# KiCad board LC_RFE-RevA2.kicad_pcb (continued)
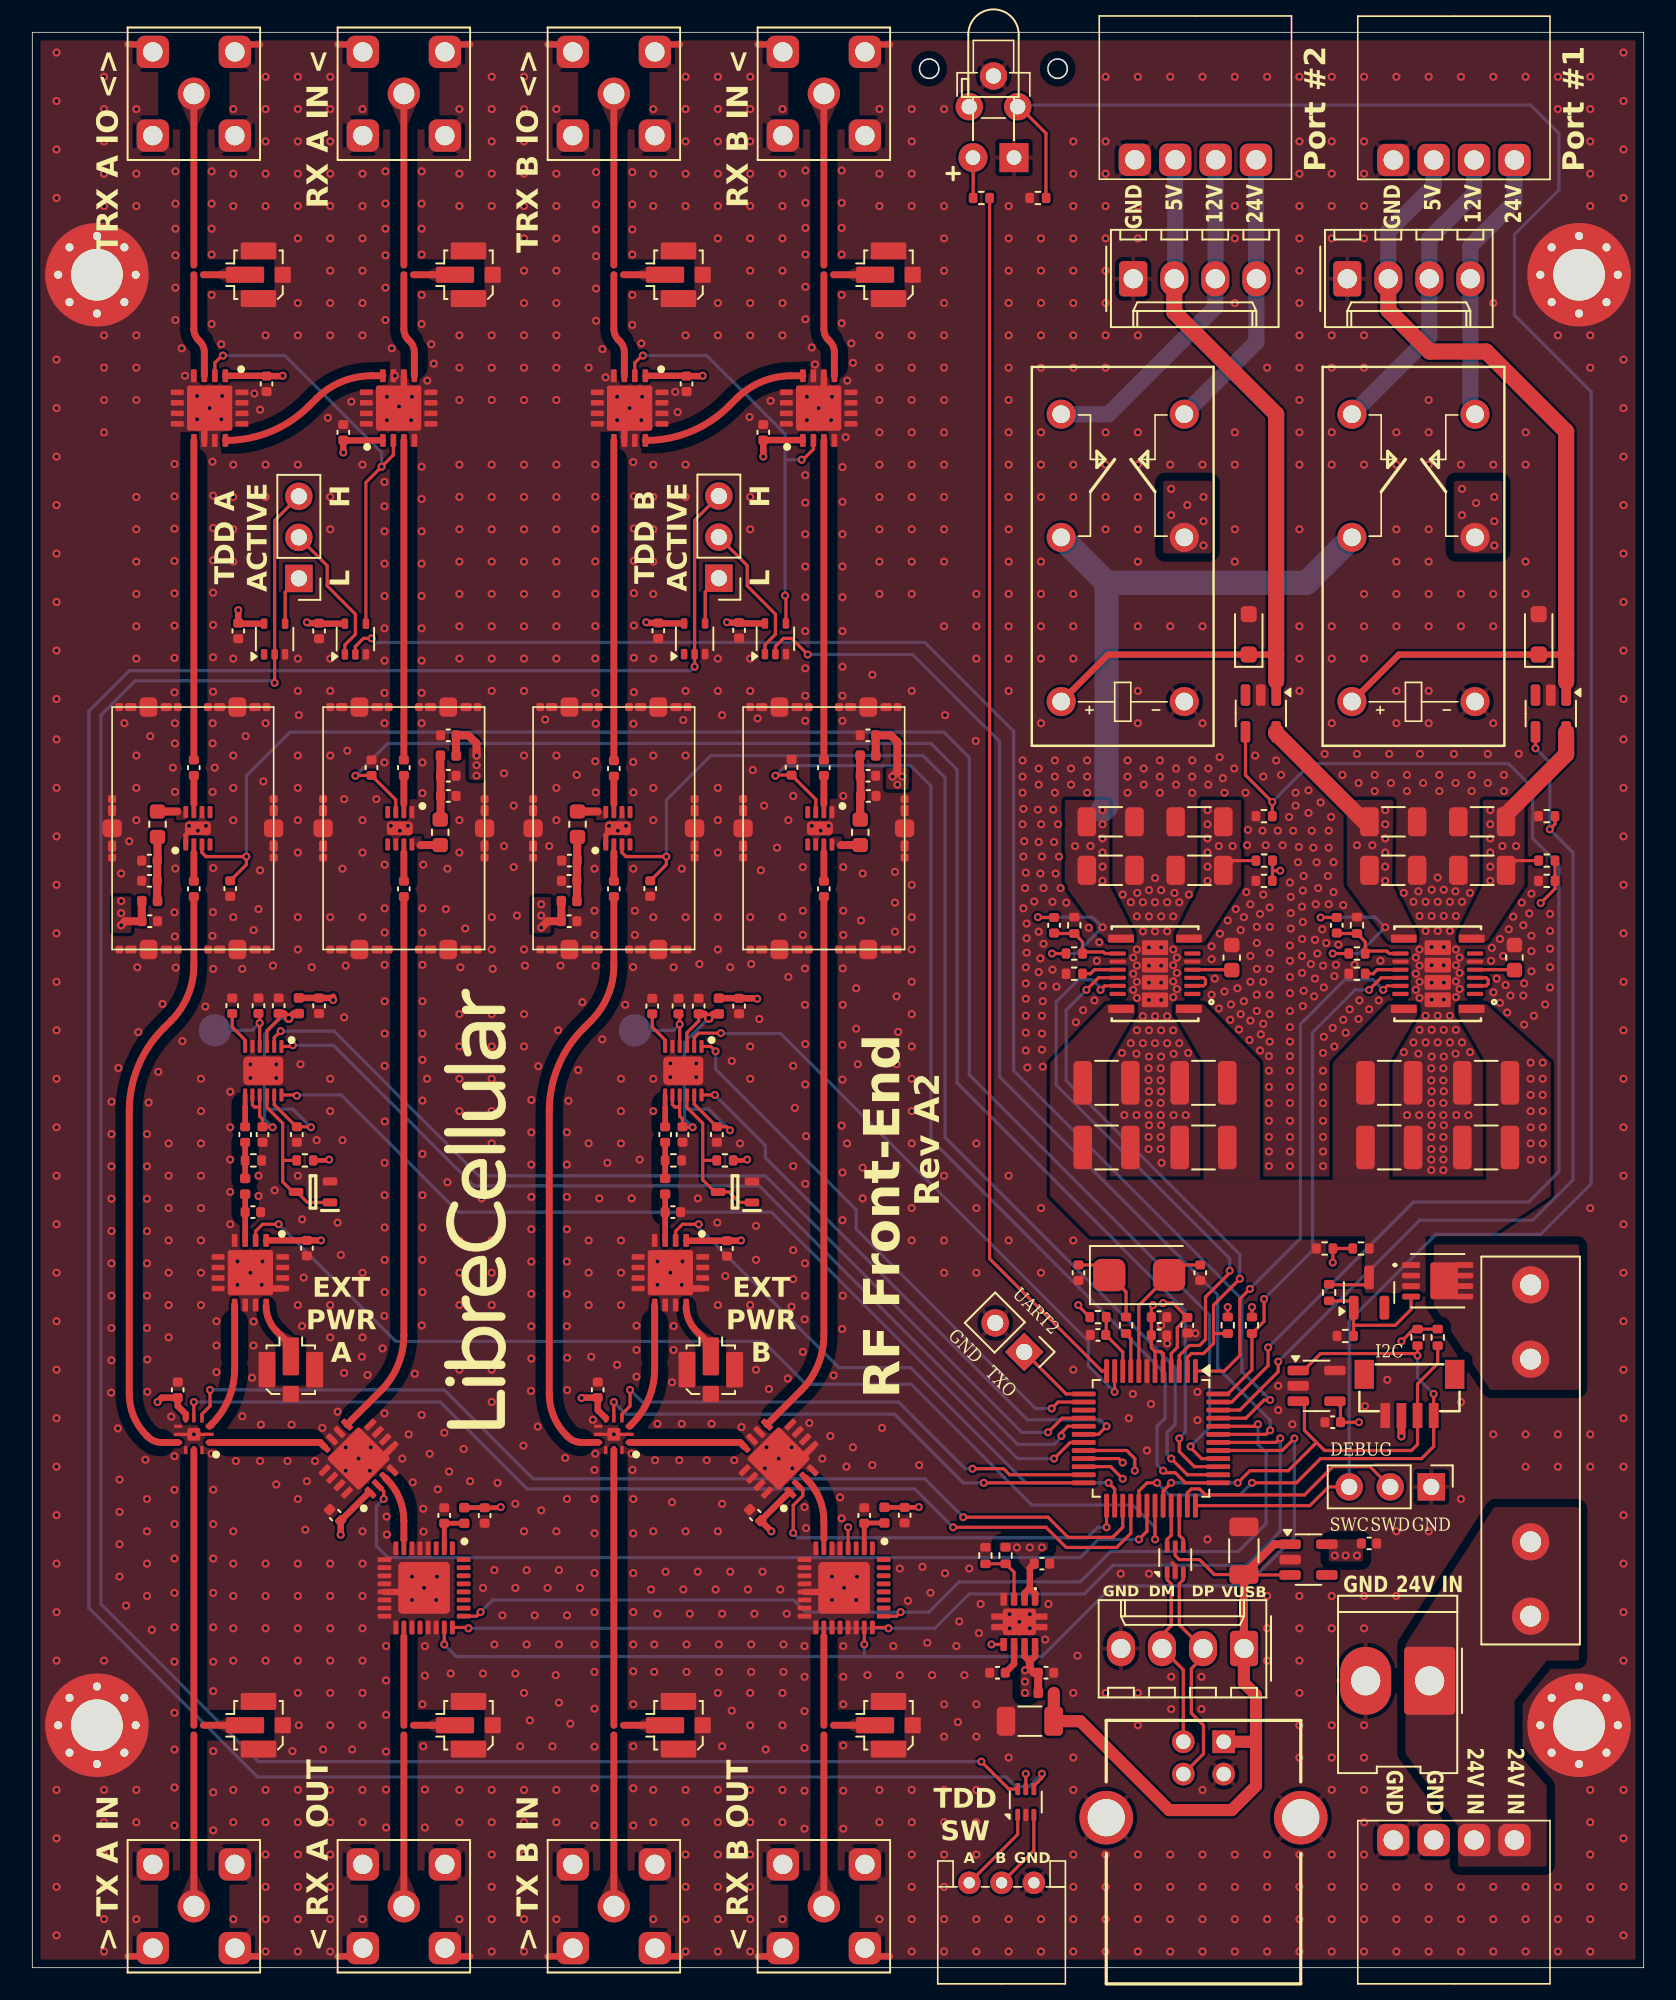
[diagram p0: board, top side]
## Routing (per net, layer and track width the routed paths; a pad name or vN(x,y) marks a point on that pad's centre or on a via; arc(x,y) is an arc through that point) (continued)
  vias: v1(5.5,66) v1(27.5,74.4) v1(31.5,65.1) v1(53.85,73.7) v1(61.45,17)
+5V: length 27.4
  Top w0.2: C219.1 91.82,68.5 R107.1 ; v1(79.75,64.98) 80.5,64.98 ; R205.1 v1(80.5,62.75)
  Top w1: C218.1 82.47,70.9 77,76.38 IC402.5 ; IC401.5 94.95,75.08 91.22,71.35 C220.1
  Bottom w0.2: v1(79.75,64.98) 79.77,65 83.12,65 v1(83.75,64.38) 82.12,62.75 v1(80.5,62.75)
  vias: v1(82,69.45) v1(82.95,69.45) v1(83.75,71.62) v1(83.75,70.75) v1(83.75,69.88) v1(83.75,69) v1(83.75,68.12) v1(83.75,67.25) v1(90.25,71.62) v1(90.25,70.75) v1(90.25,69.88) v1(90.25,69) v1(90.25,68.12) v1(90.25,67.25) v1(91,69.4) v1(91.85,69.4)
+12V: length 46.7
  Top w0.2: R201.1 v1(63.12,62.75) ; v1(62.25,65) 62.27,64.98 C206.1 ; C209.1 74.32,68.5 R105.1
  Bottom w0.2: v1(62.25,65) 65.62,65 v1(66.25,64.38) 64.62,62.75 v1(63.12,62.75)
  Bottom w1.5: K401.6 78.88,85.69 66.5,85.69 ; 66.5,85.69 66.5,71.88 v1(66.25,71.62) ; 66.5,85.69 K402.6
  vias: v1(64.55,69.4) v1(65.5,69.4) v1(66.25,70.75) v1(66.25,69.88) v1(66.25,69) v1(66.25,68.12) v1(66.25,67.25) v1(72.75,71.62) v1(72.75,70.75) v1(72.75,69.88) v1(72.75,69) v1(72.75,68.12) v1(72.75,67.25) v1(73.45,69.4) v1(74.3,69.4)
+24V: length 59.6
  Top w0.2: 80.28,42.28 80.31,42.25 82.5,42.25 82.75,42.5 D101.3
  In2.Cu w1.5: v1(71.5,90.5) 72,91 91.5,91 95.5,87 95.5,59.25 93.25,57
  vias: v1(70.5,91.5) v1(70.5,89.88) v1(72.5,91) v1(72.5,89.5) v1(72.5,88) v1(88.5,91.5) v1(88.5,89.88) v1(89.38,90.62) v1(90.5,91) v1(90.5,89.5) v1(90.5,88) v1(92.75,56) v1(92.75,55) v1(92.75,54) v1(92.75,53) v1(92.75,52) v1(92.75,51) v1(92.75,50) v1(93.5,56) v1(93.5,55) v1(93.5,54) v1(93.5,53) v1(93.5,52) v1(93.5,51) v1(93.5,50)
/5V_SENSE: length 69.1
  Top w0.2: R107.2 R108.1 94.26,66.76 v1(93.38,65.88) ; v1(68.25,30.75) 68.25,31.5 67.75,32 IC301.20
  In2.Cu w0.2: v1(93.38,65.88) 93.38,60.38 91.12,58.12 91.12,48.5 89,46.38 79,46.38 78.12,45.5 78.12,43.09 79.62,41.59 79.62,31.38 76.25,28 69.75,28 68.25,29.5 v1(68.25,30.75)
/12V_SENSE: length 55.9
  Top w0.2: R105.2 76.77,67.88 ; 76.77,67.88 v1(77.25,67.88) ; 76.77,67.88 76.77,67.26 R106.1 ; IC301.21 67.25,31.5 v1(67.5,31.25)
  In2.Cu w0.2: v1(77.25,67.88) 77.25,42.5 78.75,41 78.75,31.5 75.88,28.62 70.12,28.62 68.88,29.88 68.88,31.25 68.5,31.62 67.88,31.62 v1(67.5,31.25)
/24V_SENSE: length 33.5
  Top w0.2: R103.2 R104.1 80.51,43.64 v1(80.5,43.62) ; IC301.22 66.75,31 v1(67.5,30.25)
  In2.Cu w0.2: v1(67.5,30.25) 67.5,29.38 69.5,27.38 76.59,27.38 80.5,31.28 v1(80.5,43.62)
GND: length 59.1
  Top w0.2: IC1004.8 v1(36,33) IC1004.2 ; D102.2 70.75,24.86 70.55,25.05 ; IC904.8 v1(10,33) IC904.2 ; 39.62,56.08 v1(39.5,55.95)
  Top w0.3: IC1301.1 9.5,70.08 9.92,70.5 IC1301.9 ; IC1401.9 35.92,70.5 35.5,70.08 IC1401.1
  Top w0.4: CON505.2 6.95,0.7 5.9,0.7 ; v1(48.67,96.5) 49,96.83 IC1602.10 ; IC1003.13 40.47,42.03 v1(39.5,43) ; 40.1,119 39,119 CON503.2 ; v1(13.5,43) 14.47,42.03 IC903.13 ; IC701.13 24,23.25 v1(24.25,23.5) ; IC1502.17 23,96.83 IC1502.10 ; CON503.2 33,119 31.9,119 ; CON502.2 26,119 27.1,119 ; 14.1,119 13,119 CON501.2 ; 53.1,119 52,119 CON504.2 ; 53.1,0.7 52.05,0.7 CON508.2 ; IC1501.10 10.65,96.17 v1(10.97,96.5) ; CON502.2 20,119 18.9,119 ; 31.9,0.7 32.95,0.7 CON507.2 ; IC1005.5 47.58,31.5 v1(46.2,31.5) ; 44.9,119 46,119 CON504.2 ; IC1601.10 36.65,96.17 v1(36.97,96.5) ; v1(50.25,23.5) 50,23.25 IC801.13 ; CON501.2 7,119 5.9,119 ; 40.1,0.7 39.05,0.7 CON507.2 ; 18.9,0.7 19.95,0.7 CON506.2 ; v1(20.2,31.5) 21.58,31.5 IC905.5 ; CON506.2 26.05,0.7 27.1,0.7 ; CON505.2 13.05,0.7 14,0.7 ; CON508.2 45.95,0.7 44.9,0.7
  vias: v1(1.5,118.5) v1(1.5,115.5) v1(1.5,112.5) v1(1.5,109.5) v1(1.5,99.5) v1(1.5,96.5) v1(1.5,93.5) v1(1.5,90.5) v1(1.5,87.5) v1(1.5,84.5) v1(1.5,81.5) v1(1.5,78.5) v1(1.5,76) v1(1.5,73) v1(1.5,70) v1(1.5,67) v1(1.5,64) v1(1.5,61) v1(1.5,58) v1(1.5,55) v1(1.5,52) v1(1.5,49) v1(1.5,46) v1(1.5,43) v1(1.5,40) v1(1.5,37) v1(1.5,34) v1(1.5,31) v1(1.5,28) v1(1.5,25) v1(1.5,22) v1(1.5,19) v1(1.5,11) v1(1.5,8) v1(1.5,5) v1(1.5,2) v1(4.44,117) v1(4.44,115) v1(4.44,113) v1(4.44,111) v1(4.44,109) v1(4.44,101) v1(4.44,99) v1(4.44,97) v1(4.44,95) v1(4.44,19) v1(4.44,11) v1(4.44,9) v1(4.44,7) v1(4.44,5) v1(4.44,3) v1(4.44,1) v1(4.9,53.58) v1(4.9,51.58) v1(4.9,49.58) v1(4.9,47.58) v1(4.9,45.58) v1(4.9,43.58) v1(4.9,41.58) v1(4.9,39.58) v1(4.9,37.58) v1(4.88,35.58) v1(5.33,55.67) v1(5.3,33.37) v1(5.4,30.2) v1(5.4,28.2) v1(5.4,26.2) v1(5.4,24.2) v1(5.5,67.7) v1(5.7,77) v1(5.8,22.4) v1(6,69.7) v1(6.44,115) v1(6.44,111) v1(6.44,109) v1(6.44,101) v1(6.44,99) v1(6.44,97) v1(6.44,91) v1(6.44,89) v1(6.44,87) v1(6.44,85) v1(6.44,83) v1(6.44,81) v1(6.44,75) v1(6.44,73) v1(6.44,71) v1(6.44,11) v1(6.44,9) v1(6.44,3) v1(6.5,61.9) v1(6.56,57.89) v1(7,31.43) v1(7.1,51.58) v1(7.1,49.58) v1(7.1,47.58) v1(7.1,45.58) v1(7.1,43.58) v1(7.1,41.58) v1(7.1,39.58) v1(7.12,37.63) v1(7.12,35.63) v1(7.1,29) v1(7.1,27) v1(7.1,25) v1(7.1,23) v1(7.2,53.53) v1(7.3,76.2) v1(7.4,20.9) v1(7.8,55.43) v1(8.06,59.63) v1(8.44,51) v1(8.44,49) v1(8.44,47) v1(8.44,45) v1(8.44,43) v1(8.44,41) v1(8.44,39) v1(8.6,34.1) v1(8.7,74.25) v1(8.8,93.04) v1(8.8,91.04) v1(8.8,89.04) v1(8.8,87.04) v1(8.8,85.04) v1(8.8,83.04) v1(8.8,81.04) v1(8.8,78.91) v1(8.83,77) v1(8.83,75.75) v1(8.83,72.75) v1(8.85,68.01) v1(8.8,65.3) v1(8.82,63.81) v1(8.8,31.65) v1(8.8,29.57) v1(8.8,27.44) v1(8.8,25.32) v1(8.8,23.19) v1(8.8,21.06) v1(8.8,18.93) v1(8.8,15.77) v1(8.8,13.5) v1(8.8,11.15) v1(8.8,8.8) v1(8.86,111.15) v1(8.86,109.15) v1(8.86,107.6) v1(8.86,105.95) v1(8.86,103.95) v1(8.86,101.95) v1(8.88,61.88) v1(9.25,100.2) v1(9.29,57.33) v1(9.45,98.5) v1(9.7,70.65) v1(10.2,97.25) v1(10.2,95.8) v1(10.25,70.35) v1(10.44,55) v1(10.44,53) v1(10.44,51) v1(10.44,49) v1(10.44,47) v1(10.44,45) v1(10.44,43) v1(10.44,41) v1(10.71,59.47) v1(10.75,70.65) v1(11.1,111.15) v1(11.1,109.15) v1(11.1,107.6) v1(11.1,106) v1(11.1,103.5) v1(11.1,101.7) v1(11.1,31.8) v1(11.15,93.19) v1(11.19,91.08) v1(11.19,89.08) v1(11.19,87.08) v1(11.19,85.08) v1(11.19,83.08) v1(11.19,81.08) v1(11.19,78.95) v1(11.16,77) v1(11.16,75.75) v1(11.16,72.75) v1(11.2,68.04) v1(11.18,65.31) v1(11.15,63.84) v1(11.2,61.8) v1(11.2,29.57) v1(11.2,27.44) v1(11.2,25.32) v1(11.2,23.19) v1(11.2,21.06) v1(11.2,18.93) v1(11.2,17.11) v1(11.2,13.4) v1(11.2,10.85) v1(11.2,8.5) v1(11.29,74.25) v1(11.4,40) v1(11.4,38.5) v1(11.4,36.85) v1(11.7,100.45) v1(11.7,95.8) v1(11.75,97.25) v1(12.25,54.2) v1(12.25,52) v1(12.25,50) v1(12.25,48) v1(12.25,46) v1(12.44,115) v1(12.44,111) v1(12.44,109) v1(12.44,93) v1(12.44,91) v1(12.44,89) v1(12.44,87) v1(12.44,81) v1(12.44,75) v1(12.44,73) v1(12.44,71) v1(12.44,65) v1(12.44,27) v1(12.44,25) v1(12.44,23) v1(12.44,21) v1(12.44,19) v1(12.44,11) v1(12.44,9) v1(12.44,3) v1(12.6,31.35) v1(12.7,43.7) v1(12.7,42.25) v1(13,61.8) v1(13,34.12) v1(13.2,76.2) v1(13.5,55.9) v1(13.5,55.05) v1(13.6,36.5) v1(13.7,64.2) v1(13.7,39.98) v1(13.69,38.5) v1(13.75,97.4) v1(14,65.5) v1(14,49) v1(14,47.75) v1(14.1,96.4) v1(14.1,67.9) v1(14.1,31.35) v1(14.25,43.7) v1(14.2,42.25) v1(14.15,33.6) v1(14.3,73.4) v1(14.44,117) v1(14.44,115) v1(14.44,113) v1(14.44,111) v1(14.44,109) v1(14.44,101) v1(14.44,93) v1(14.44,91) v1(14.44,77) v1(14.44,25) v1(14.44,23) v1(14.44,21) v1(14.44,19) v1(14.44,11) v1(14.44,9) v1(14.44,7) v1(14.44,5) v1(14.44,3) v1(14.44,1) v1(14.9,62) v1(15,48.1) v1(15.1,55.9) v1(15.1,55.05) v1(15.1,29.9) v1(15.8,31.35) v1(16.05,33.6) v1(16.1,13.4) v1(16.44,117) v1(16.44,115) v1(16.44,113) v1(16.44,111) v1(16.44,109) v1(16.44,107) v1(16.44,103) v1(16.44,101) v1(16.44,93) v1(16.44,81) v1(16.44,79) v1(16.44,75) v1(16.44,73) v1(16.44,71) v1(16.44,69) v1(16.44,65) v1(16.44,63) v1(16.44,49) v1(16.44,41) v1(16.44,29) v1(16.44,25) v1(16.44,23) v1(16.44,21) v1(16.44,19) v1(16.44,17) v1(16.44,11) v1(16.44,9) v1(16.44,7) v1(16.44,5) v1(16.44,3) v1(16.44,1) v1(16.5,77.5) v1(16.5,15) v1(16.6,55.9) v1(16.7,46.3) v1(16.7,39.7) v1(16.8,42.7) v1(16.9,27.1) v1(17,30.1) v1(17.3,61.9) v1(17.5,31.35) v1(17.6,51.2) v1(17.95,33.4) v1(18,13.5) v1(18.3,95.9) v1(18.44,117) v1(18.44,115) v1(18.44,113) v1(18.44,111) v1(18.44,109) v1(18.44,107) v1(18.44,105) v1(18.44,103) v1(18.44,101) v1(18.44,91) v1(18.44,89) v1(18.44,81) v1(18.44,79) v1(18.44,75) v1(18.44,65) v1(18.44,55) v1(18.44,53) v1(18.44,41) v1(18.44,39) v1(18.44,25) v1(18.44,23) v1(18.44,21) v1(18.44,19) v1(18.44,17) v1(18.44,15) v1(18.44,11) v1(18.44,9) v1(18.44,7) v1(18.44,5) v1(18.44,3) v1(18.44,1) v1(18.9,46.1) v1(18.9,34.4) v1(19.1,44.1) v1(19.2,68) v1(19.2,51.2) v1(19.3,72.3) v1(19.3,58.8) v1(19.3,36.8) v1(19.4,62) v1(19.4,32.2) v1(19.4,30.75) v1(19.5,75.3) v1(19.75,96.9) v1(19.8,13.5) v1(20.44,115) v1(20.44,111) v1(20.44,109) v1(20.44,107) v1(20.44,105) v1(20.44,103) v1(20.44,101) v1(20.44,93) v1(20.44,71) v1(20.44,69) v1(20.44,65) v1(20.44,43) v1(20.44,39) v1(20.4,37.8) v1(20.44,27) v1(20.44,25) v1(20.44,23) v1(20.44,21) v1(20.44,19) v1(20.44,17) v1(20.44,15) v1(20.44,11) v1(20.44,9) v1(20.44,3) v1(20.75,36.67) v1(20.9,30.75) v1(20.95,32.2) v1(21.3,72.3) v1(21.68,38.32) v1(21.8,91.92) v1(21.8,90.42) v1(21.8,88.88) v1(21.8,86.88) v1(21.8,84.88) v1(21.8,82.88) v1(21.8,80.88) v1(21.8,78.88) v1(21.8,77) v1(21.8,74.58) v1(21.81,68.25) v1(21.81,65.55) v1(21.81,64.05) v1(21.81,62.05) v1(21.81,59.8) v1(21.81,57.8) v1(21.81,55.8) v1(21.82,52.36) v1(21.81,49.8) v1(21.81,47.8) v1(21.81,45.8) v1(21.81,43.8) v1(21.81,41.8) v1(21.79,40.33) v1(21.8,34.3) v1(21.86,111.15) v1(21.86,109.15) v1(21.86,107.6) v1(21.86,105.95) v1(21.86,103.95) v1(21.86,101.95) v1(21.93,27.91) v1(21.9,19.9) v1(21.9,17.77) v1(21.9,15.64) v1(21.9,13.37) v1(21.9,11.02) v1(21.9,8.67) v1(21.95,97.2) v1(21.95,95.75) v1(21.95,26.8) v1(22.25,100.2) v1(22.2,70.65) v1(22.45,98.5) v1(22.7,96.6) v1(22.75,70.35) v1(22.9,31.5) v1(23.25,70.65) v1(23.3,33) v1(23.5,97.2) v1(23.45,95.75) v1(23.55,30.03) v1(23.5,24.2) v1(23.5,22.75) v1(23.68,36.75) v1(24.1,111.15) v1(24.1,109.15) v1(24.1,107.6) v1(24.1,106) v1(24.1,103.5) v1(24.1,101.7) v1(24.1,92.88) v1(24.1,90.88) v1(24.1,88.88) v1(24.1,86.88) v1(24.1,84.88) v1(24.1,82.88) v1(24.1,80.88) v1(24.1,78.88) v1(24.1,77) v1(24.11,39.74) v1(24.1,34.2) v1(24.15,74.58) v1(24.15,72.67) v1(24.2,68.25) v1(24.15,65.55) v1(24.15,64.05) v1(24.15,62.05) v1(24.15,59.8) v1(24.15,57.8) v1(24.15,56.17) v1(24.15,53.65) v1(24.15,50.35) v1(24.15,47.8) v1(24.15,45.8) v1(24.15,43.8) v1(24.15,41.8) v1(24.2,28.4) v1(24.22,26.98) v1(24.15,16.3) v1(24.2,13.7) v1(24.3,19.9) v1(24.3,18.07) v1(24.3,11.02) v1(24.3,8.67) v1(24.44,55) v1(24.45,98.2) v1(24.6,31.8) v1(24.7,100.45) v1(24.85,99.25) v1(25.05,24.2) v1(25,22.75) v1(25.1,29.6) v1(25.5,33.1) v1(25.6,65.5) v1(25.7,68) v1(25.7,48.6) v1(25.8,30.7) v1(25.9,18.2) v1(26.44,115) v1(26.44,111) v1(26.44,109) v1(26.44,101) v1(26.44,99) v1(26.44,97) v1(26.44,93) v1(26.44,91) v1(26.44,89) v1(26.44,87) v1(26.44,85) v1(26.44,83) v1(26.44,81) v1(26.44,71) v1(26.44,69) v1(26.44,59) v1(26.44,57) v1(26.44,55) v1(26.44,53) v1(26.44,45) v1(26.44,43) v1(26.44,41) v1(26.44,37) v1(26.44,11) v1(26.44,9) v1(26.44,3) v1(26.5,61.9) v1(26.7,32.1) v1(26.8,64.3) v1(27.1,30.1) v1(27.81,47.6) v1(27.9,23.5) v1(27.9,18.2) v1(28.44,117) v1(28.44,115) v1(28.44,113) v1(28.44,111) v1(28.44,109) v1(28.44,101) v1(28.44,99) v1(28.44,97) v1(28.44,93) v1(28.44,91) v1(28.44,89) v1(28.44,87) v1(28.44,85) v1(28.44,83) v1(28.44,81) v1(28.44,79) v1(28.44,65) v1(28.44,63) v1(28.44,59) v1(28.44,57) v1(28.44,55) v1(28.44,53) v1(28.44,51) v1(28.44,45) v1(28.44,43) v1(28.44,41) v1(28.44,37) v1(28.44,35) v1(28.44,11) v1(28.44,9) v1(28.44,7) v1(28.44,5) v1(28.44,3) v1(28.44,1) v1(28.5,61.8) v1(28.6,24.6) v1(28.6,20) v1(28.8,30) v1(29.1,21.8) v1(29.2,73.9) v1(29.2,69.4) v1(29.8,71.9) v1(29.8,68.1) v1(29.9,28.7) v1(29.9,23.5) v1(29.9,18.2) v1(30,65.1) v1(30.2,13.7) v1(30.44,117) v1(30.44,115) v1(30.44,113) v1(30.44,111) v1(30.44,109) v1(30.44,107) v1(30.44,105) v1(30.44,103) v1(30.44,101) v1(30.44,99) v1(30.44,97) v1(30.44,93) v1(30.44,91) v1(30.44,89) v1(30.44,87) v1(30.44,85) v1(30.44,83) v1(30.44,81) v1(30.44,79) v1(30.44,75) v1(30.44,63) v1(30.44,59) v1(30.44,57) v1(30.4,32.3) v1(30.44,27) v1(30.44,17) v1(30.44,11) v1(30.44,9) v1(30.44,7) v1(30.44,5) v1(30.44,3) v1(30.44,1) v1(30.5,62) v1(30.6,24.6) v1(30.6,20) v1(30.8,15.3) v1(30.89,53.69) v1(30.89,51.69) v1(30.89,49.69) v1(30.89,47.69) v1(30.89,45.69) v1(30.89,43.69) v1(30.89,41.69) v1(30.89,39.69) v1(30.89,37.69) v1(30.87,35.69) v1(31.1,21.8) v1(31.32,55.78) v1(31.29,33.48) v1(31.5,28.3) v1(31.75,77.23) v1(31.9,23.5) v1(32,69.4) v1(32.2,13.7) v1(32.44,115) v1(32.44,111) v1(32.44,109) v1(32.44,107) v1(32.44,105) v1(32.44,103) v1(32.44,101) v1(32.44,99) v1(32.44,97) v1(32.44,93) v1(32.44,91) v1(32.44,89) v1(32.44,87) v1(32.44,85) v1(32.44,83) v1(32.44,81) v1(32.44,75) v1(32.44,73) v1(32.44,71) v1(32.44,27) v1(32.4,18.1) v1(32.44,11) v1(32.44,9) v1(32.44,3) v1(32.55,58) v1(32.6,24.6) v1(32.6,20) v1(32.6,16.4) v1(32.7,62) v1(32.99,31.54) v1(33.09,51.69) v1(33.09,49.69) v1(33.09,47.69) v1(33.09,45.69) v1(33.09,43.69) v1(33.09,41.69) v1(33.09,39.69) v1(33.11,37.74) v1(33.11,35.74) v1(33.1,29) v1(33.1,21.8) v1(33.19,53.64) v1(33.3,15.1) v1(33.7,73.8) v1(33.79,55.54) v1(33.9,23.5) v1(34.05,59.74) v1(34.44,99) v1(34.44,51) v1(34.44,45) v1(34.44,43) v1(34.44,41) v1(34.6,37.8) v1(34.7,33.9) v1(34.85,93.01) v1(34.85,91.01) v1(34.85,89.01) v1(34.85,87.01) v1(34.85,85.01) v1(34.85,83.01) v1(34.85,81.01) v1(34.85,78.88) v1(34.85,74.65) v1(34.8,68) v1(34.8,65.4) v1(34.8,63.9) v1(34.85,31.8) v1(34.8,30.8) v1(34.8,29) v1(34.8,26.87) v1(34.8,24.42) v1(34.8,22) v1(34.8,20) v1(34.8,18.3) v1(34.8,16.03) v1(34.8,13.68) v1(34.8,11.1) v1(34.8,8.8) v1(34.9,111.1) v1(34.9,109.1) v1(34.9,107.55) v1(34.9,105.9) v1(34.9,103.9) v1(34.9,101.9) v1(34.88,76.97) v1(34.88,72.72) v1(34.87,61.99) v1(35.1,47.6) v1(35.29,100.15) v1(35.28,57.44) v1(35.49,98.4) v1(35.6,49.8) v1(35.7,70.65) v1(36.2,97.2) v1(36.2,95.75) v1(36.25,70.35) v1(36.2,37.3) v1(36.44,55) v1(36.44,53) v1(36.44,51) v1(36.44,45) v1(36.44,43) v1(36.44,41) v1(36.7,59.58) v1(36.75,70.65) v1(37.14,111.1) v1(37.14,109.1) v1(37.14,107.55) v1(37.14,106) v1(37.14,103.5) v1(37.14,101.65) v1(37.1,47.6) v1(37.1,31.8) v1(37.2,93.16) v1(37.24,91.05) v1(37.24,89.05) v1(37.24,87.05) v1(37.24,85.05) v1(37.24,83.05) v1(37.24,81.05) v1(37.24,78.92) v1(37.21,76.97) v1(37.2,74.6) v1(37.21,72.72) v1(37.2,68) v1(37.19,61.91) v1(37.15,30.8) v1(37.2,29) v1(37.2,26.87) v1(37.2,24.42) v1(37.2,22) v1(37.2,20) v1(37.2,18.34) v1(37.2,16.3) v1(37.2,13.7) v1(37.2,11.1) v1(37.2,8.8) v1(37.3,65.4) v1(37.3,63.9) v1(37.4,39.72) v1(37.4,38.22) v1(37.4,36.57) v1(37.6,50) v1(37.7,100.5) v1(37.7,95.75) v1(37.75,97.2) v1(38.3,23.4) v1(38.44,115) v1(38.44,111) v1(38.44,109) v1(38.44,93) v1(38.44,91) v1(38.44,89) v1(38.44,87) v1(38.44,85) v1(38.44,81) v1(38.44,75) v1(38.44,73) v1(38.44,71) v1(38.44,65) v1(38.44,55) v1(38.44,53) v1(38.44,27) v1(38.44,11) v1(38.44,9) v1(38.44,3) v1(38.55,31.4) v1(38.5,20) v1(38.5,18.3) v1(38.7,43.7) v1(38.7,42.25) v1(38.7,33.65) v1(38.7,21.9) v1(39.2,24.5) v1(39.5,55.1) v1(39.6,36.22) v1(39.6,28.8) v1(39.7,61.9) v1(39.7,39.7) v1(39.69,38.22) v1(39.8,97.5) v1(39.95,96.25) v1(40.05,31.4) v1(40.2,68) v1(40.25,43.7) v1(40.2,42.25) v1(40.2,33.65) v1(40.3,77.2) v1(40.3,23.4) v1(40.44,117) v1(40.44,115) v1(40.44,113) v1(40.44,111) v1(40.44,109) v1(40.44,101) v1(40.44,93) v1(40.44,91) v1(40.44,79) v1(40.44,75) v1(40.44,65) v1(40.44,27) v1(40.44,11) v1(40.44,9) v1(40.44,7) v1(40.44,5) v1(40.44,3) v1(40.44,1) v1(40.5,20) v1(40.5,18.3) v1(40.7,21.9) v1(41.1,55.95) v1(41.1,55.1) v1(41.2,47.6) v1(41.2,24.5) v1(41.3,62.1) v1(41.75,31.4) v1(42.05,33.65) v1(42.3,23.4) v1(42.44,117) v1(42.44,115) v1(42.44,113) v1(42.44,111) v1(42.44,109) v1(42.44,107) v1(42.44,103) v1(42.44,101) v1(42.44,81) v1(42.44,79) v1(42.44,73) v1(42.44,71) v1(42.44,69) v1(42.44,65) v1(42.44,63) v1(42.4,46.1) v1(42.44,41) v1(42.44,27) v1(42.44,17) v1(42.44,11) v1(42.44,9) v1(42.44,7) v1(42.44,5) v1(42.44,3) v1(42.44,1) v1(42.5,20) v1(42.5,18.3) v1(42.7,77.5) v1(42.7,28.7) v1(42.7,21.9) v1(42.7,13.7) v1(42.9,42.8) v1(43.2,61.9) v1(43.2,24.5) v1(43.3,56.1) v1(43.3,15.9) v1(43.45,31.4) v1(43.81,51) v1(43.9,33.45) v1(44.3,23.4) v1(44.44,117) v1(44.44,115) v1(44.44,113) v1(44.44,111) v1(44.44,109) v1(44.44,107) v1(44.44,105) v1(44.44,103) v1(44.44,101) v1(44.4,95.95) v1(44.44,91) v1(44.44,89) v1(44.44,81) v1(44.44,79) v1(44.44,65) v1(44.44,57) v1(44.44,55) v1(44.44,41) v1(44.44,17) v1(44.44,15) v1(44.44,11) v1(44.44,9) v1(44.44,7) v1(44.44,5) v1(44.44,3) v1(44.44,1) v1(44.5,62.1) v1(44.5,20) v1(44.5,18.3) v1(44.6,74.1) v1(44.7,21.9) v1(44.8,45.9) v1(44.8,43.8) v1(44.8,37) v1(44.9,77.3) v1(45,58.7) v1(45.1,67.9) v1(45.2,24.5) v1(45.3,71.9) v1(45.35,30.9) v1(45.4,13.5) v1(45.45,32.2) v1(45.6,35.8) v1(45.7,96.95) v1(46.1,69.3) v1(46.3,23.4) v1(46.44,115) v1(46.44,111) v1(46.44,109) v1(46.44,107) v1(46.44,105) v1(46.44,103) v1(46.44,101) v1(46.44,65) v1(46.44,17) v1(46.44,15) v1(46.44,11) v1(46.44,9) v1(46.44,3) v1(46.5,20) v1(46.5,18.3) v1(46.7,21.9) v1(46.8,71) v1(46.8,61.3) v1(46.77,36.45) v1(47,40.9) v1(47,32.2) v1(47.05,30.9) v1(47.1,72.5) v1(47.1,55.8) v1(47.1,49.6) v1(47.1,44.4) v1(47.1,42.6) v1(47.2,53.2) v1(47.7,68.1) v1(47.7,65.4) v1(47.7,63.9) v1(47.7,38.1) v1(47.85,92.35) v1(47.85,90.65) v1(47.85,88.7) v1(47.85,86.7) v1(47.85,84.8) v1(47.85,82.7) v1(47.85,80.4) v1(47.85,78.7) v1(47.85,77.15) v1(47.83,61.83) v1(47.83,59.58) v1(47.85,57.15) v1(47.85,54.65) v1(47.85,48.5) v1(47.83,43.58) v1(47.83,41.58) v1(47.81,40.11) v1(47.8,28.5) v1(47.8,19.9) v1(47.8,18) v1(47.8,15.87) v1(47.8,13.6) v1(47.8,10.95) v1(47.8,8.6) v1(47.86,111.2) v1(47.86,109.2) v1(47.86,107.65) v1(47.86,106) v1(47.86,104) v1(47.86,102) v1(47.9,51.45) v1(47.9,27.2) v1(47.95,97.2) v1(47.95,95.75) v1(48.1,33.7) v1(48.25,100.25) v1(48.25,70.65) v1(48.45,99.2) v1(48.8,70.35) v1(48.9,31.5) v1(49.3,70.65) v1(49.4,32.9) v1(49.5,97.2) v1(49.45,95.75) v1(49.5,24.2) v1(49.5,22.75) v1(49.6,36.65) v1(50,29.1) v1(50.1,111.2) v1(50.1,109.2) v1(50.1,107.65) v1(50.1,106) v1(50.1,103.5) v1(50.1,101.75) v1(50.1,52.1) v1(50.13,39.52) v1(50.1,27.8) v1(50.15,92.85) v1(50.15,90.7) v1(50.15,88.7) v1(50.15,86.7) v1(50.15,84.8) v1(50.15,82.7) v1(50.15,80.5) v1(50.15,78.7) v1(50.15,77.15) v1(50.2,72.5) v1(50.2,68.1) v1(50.2,65.4) v1(50.2,63.9) v1(50.17,61.83) v1(50.17,59.58) v1(50.15,57.1) v1(50.15,54.95) v1(50.15,49.2) v1(50.15,46.25) v1(50.17,41.58) v1(50.2,19.9) v1(50.2,18) v1(50.2,16.3) v1(50.2,13.75) v1(50.2,10.95) v1(50.2,8.6) v1(50.35,94.7) v1(50.44,51) v1(50.4,31) v1(50.45,98.2) v1(50.7,100.5) v1(50.8,99.3) v1(50.8,32.2) v1(51,60.6) v1(51,58.1) v1(51.05,24.2) v1(51,22.75) v1(51.1,55.9) v1(51.3,64.8) v1(51.4,67.7) v1(51.4,49.5) v1(51.4,47.6) v1(51.7,18.1) v1(52,80) v1(52,31.1) v1(52.44,115) v1(52.44,111) v1(52.44,109) v1(52.44,101) v1(52.44,99) v1(52.44,97) v1(52.44,95) v1(52.44,93) v1(52.44,91) v1(52.44,89) v1(52.44,87) v1(52.44,85) v1(52.44,11) v1(52.44,9) v1(52.44,3) v1(52.6,33.4) v1(53.3,19.9) v1(53.4,67.8) v1(53.4,65.9) v1(53.4,64.1) v1(53.5,60.1) v1(53.5,55.9) v1(53.5,49.6) v1(53.6,57.9) v1(53.7,24.7) v1(53.7,18.1) v1(54.2,22.7) v1(54.44,115) v1(54.44,113) v1(54.44,111) v1(54.44,109) v1(54.44,101) v1(54.44,99) v1(54.44,97) v1(54.44,95) v1(54.44,93) v1(54.44,91) v1(54.44,89) v1(54.44,87) v1(54.44,85) v1(54.44,79) v1(54.44,67) v1(54.44,65) v1(54.44,63) v1(54.44,61) v1(54.44,59) v1(54.44,57) v1(54.44,55) v1(54.44,53) v1(54.44,51) v1(54.44,47) v1(54.44,45) v1(54.44,11) v1(54.44,9) v1(54.44,7) v1(54.44,5) v1(54.44,3) v1(54.44,1) v1(54.9,31.1) v1(55.1,24.8) v1(55.41,20.1) v1(55.6,23.2) v1(55.7,18.1) v1(56.44,115) v1(56.44,109) v1(56.44,107) v1(56.44,105) v1(56.44,103) v1(56.44,101) v1(56.44,99) v1(56.44,97) v1(56.44,95) v1(56.44,93) v1(56.44,91) v1(56.44,89) v1(56.44,87) v1(56.44,83) v1(56.44,49) v1(56.44,45) v1(56.44,43) v1(56.44,16.3) v1(56.44,14.3) v1(56.44,11) v1(56.44,9) v1(56.44,7) v1(56.44,5) v1(56.44,3) v1(56.44,1) v1(56.5,77.5) v1(56.5,24.4) v1(57.2,19.9) v1(57.3,15.2) v1(57.38,21.43) v1(57.7,18.1) v1(58,24.7) v1(58.44,85) v1(58.44,83) v1(58.44,81) v1(58.4,75.9) v1(58.44,51) v1(58.44,47) v1(58.44,43) v1(58.44,16.3) v1(58.44,14.3) v1(58.44,11) v1(58.44,9) v1(58.44,7) v1(58.44,3) v1(58.44,1) v1(58.6,20.7) v1(58.7,22.5) v1(60.44,109) v1(60.44,107) v1(60.44,105) v1(60.44,103) v1(60.44,101) v1(60.44,99) v1(60.44,97) v1(60.44,95) v1(60.44,93) v1(60.44,91) v1(60.44,89) v1(60.44,87) v1(60.44,85) v1(60.44,83) v1(60.44,81) v1(60.44,79) v1(60.44,49) v1(60.44,45) v1(60.44,13) v1(60.44,3) v1(60.44,1) v1(60.5,21.88) v1(60.5,21) v1(61.1,21.4) v1(61.3,74.7) v1(61.3,73.7) v1(61.3,72.7) v1(61.35,71.7) v1(61.3,70.75) v1(61.35,68.75) v1(61.35,65.55) v1(61.4,69.7) v1(61.5,67.75) v1(61.45,66.8) v1(61.55,64.6) v1(61.55,63.7) v1(61.55,62.8) v1(61.5,61.9) v1(61.5,60.9) v1(61.5,59.95) v1(61.5,58.9) v1(61.5,57.85) v1(61.5,56.75) v1(61.6,55.7) v1(61.75,21.88) v1(61.75,21) v1(62.02,65.97) v1(62.25,71.65) v1(62.3,74.2) v1(62.3,73.2) v1(62.3,69.65) v1(62.3,64.1) v1(62.3,61.6) v1(62.44,107) v1(62.44,105) v1(62.44,103) v1(62.44,101) v1(62.44,99) v1(62.44,95) v1(62.44,93) v1(62.44,91) v1(62.44,87) v1(62.44,85) v1(62.44,83) v1(62.44,81) v1(62.44,77) v1(62.4,67.7) v1(62.4,62.45) v1(62.44,47) v1(62.44,43) v1(62.44,3) v1(62.44,1) v1(62.45,70.75) v1(62.5,68.75) v1(62.55,60.75) v1(62.55,59.8) v1(62.5,58.9) v1(62.5,57.8) v1(62.5,56.8) v1(62.55,55.75) v1(62.6,66.8) v1(62.6,63.35) v1(62.7,20.3) v1(62.9,22.5) v1(63.2,71.65) v1(63.25,69.65) v1(63.15,65.95) v1(63.15,61.75) v1(63.3,74.7) v1(63.3,73.7) v1(63.3,72.7) v1(63.35,67.7) v1(63.4,60.7) v1(63.5,70.75) v1(63.55,68.75) v1(63.65,66.8) v1(64,65.9) v1(64.3,74.2) v1(64.3,73.2) v1(64.44,113) v1(64.44,111) v1(64.44,109) v1(64.44,107) v1(64.44,105) v1(64.44,103) v1(64.44,101) v1(64.44,99) v1(64.44,93) v1(64.44,91) v1(64.44,85) v1(64.44,83) v1(64.44,81) v1(64.44,45) v1(64.44,37) v1(64.44,17) v1(64.44,13) v1(64.44,11) v1(64.44,7) v1(64.44,5) v1(64.44,3) v1(64.44,1) v1(64.6,58.5) v1(64.7,19.3) v1(65.05,59.25) v1(65.3,74.7) v1(65.3,73.7) v1(65.3,72.7) v1(65.4,64.35) v1(65.75,59.85) v1(65.9,62.3) v1(66.05,63.45) v1(66.44,117) v1(66.44,113) v1(66.44,111) v1(66.44,109) v1(66.44,107) v1(66.44,105) v1(66.44,103) v1(66.44,101) v1(66.44,99) v1(66.44,95) v1(66.44,93) v1(66.44,91) v1(66.44,89) v1(66.44,17) v1(66.44,7) v1(66.44,5) v1(66.44,3) v1(66.44,1) v1(67.45,56.6) v1(67.38,24.38) v1(67.5,66.4) v1(67.6,52.75) v1(67.8,74.7) v1(67.8,73.7) v1(67.8,72.7) v1(67.88,34) v1(68,65.92) v1(68,57.2) v1(68.12,35.5) v1(68.15,62.5) v1(68.15,61.5) v1(68.15,60.5) v1(68.35,56.55) v1(68.35,52.75) v1(68.44,117) v1(68.44,109) v1(68.44,107) v1(68.44,101) v1(68.44,95) v1(68.44,93) v1(68.44,91) v1(68.44,89) v1(68.44,87) v1(68.44,83) v1(68.44,79) v1(68.44,77) v1(68.4,66.5) v1(68.38,65.05) v1(68.38,63) v1(68.38,62) v1(68.38,61) v1(68.38,60) v1(68.38,58) v1(68.44,17) v1(68.44,15) v1(68.44,7) v1(68.44,5) v1(68.44,3) v1(68.44,1) v1(68.8,74.2) v1(68.8,73.2) v1(68.75,65.92) v1(68.75,64.12) v1(68.75,58.88) v1(68.75,57.2) v1(69,32) v1(69.12,66.67) v1(69.12,65.05) v1(69.12,63.12) v1(69.12,62) v1(69.12,60.95) v1(69.12,59.88) v1(69.12,58) v1(69.12,56.38) v1(69.1,55.65) v1(69.1,54.9) v1(69.12,54.22) v1(69.1,53.5) v1(69.1,52.75) v1(69.12,52.12) v1(69.1,51.4) v1(69.1,50.65) v1(69.12,24.38) v1(69.25,34.88) v1(69.5,67.42) v1(69.5,65.92) v1(69.5,64.12) v1(69.5,58.88) v1(69.5,57.2) v1(69.8,74.7) v1(69.8,73.7) v1(69.8,72.7) v1(69.85,55.65) v1(69.85,54.9) v1(69.85,53.5) v1(69.85,52.75) v1(69.85,51.4) v1(69.85,50.65) v1(69.88,66.67) v1(69.88,65.05) v1(69.88,63.12) v1(69.88,62) v1(69.88,60.95) v1(69.88,59.88) v1(69.88,58) v1(69.88,56.38) v1(69.88,54.22) v1(69.88,52.12) v1(69.9,49.8) v1(69.88,39.75) v1(70.25,65.92) v1(70.25,64.12) v1(70.25,58.88) v1(70.25,57.2) v1(70.25,38.62) v1(70.44,117) v1(70.44,93) v1(70.44,83) v1(70.44,7) v1(70.44,5) v1(70.44,3) v1(70.44,1) v1(70.5,18) v1(70.5,16) v1(70.62,65.05) v1(70.62,63) v1(70.62,62.03) v1(70.62,61.03) v1(70.62,60.05) v1(70.62,58) v1(70.7,66.5) v1(70.65,56.55) v1(70.65,52.75) v1(70.8,74.2) v1(70.8,73.2) v1(70.85,62.5) v1(70.85,61.55) v1(70.85,60.55) v1(71,65.92) v1(71,57.2) v1(71.4,52.75) v1(71.6,66.4) v1(71.55,56.6) v1(71.8,74.7) v1(71.8,73.7) v1(71.8,72.7) v1(72,39.25) v1(72.12,35.62) v1(72.12,33.88) v1(72.44,117) v1(72.44,93) v1(72.44,83) v1(72.44,77) v1(72.38,18) v1(72.38,16) v1(72.44,11) v1(72.44,7) v1(72.44,5) v1(72.44,3) v1(72.44,1) v1(72.8,74.2) v1(72.8,73.2) v1(72.75,26.5) v1(73,63.2) v1(73,62.4) v1(73,60.2) v1(73.2,61.2) v1(73.45,59.35) v1(73.5,74.9) v1(73.52,63.98) v1(73.7,73.6) v1(73.8,72.7) v1(73.8,60.4) v1(74,64.8) v1(74.2,59.6) v1(74.15,58.65) v1(74.44,117) v1(74.44,109) v1(74.44,107) v1(74.44,103) v1(74.44,95) v1(74.44,93) v1(74.44,89) v1(74.44,87) v1(74.4,74.2) v1(74.44,7) v1(74.44,5) v1(74.44,3) v1(74.44,1) v1(74.5,65.5) v1(74.6,60.6) v1(74.7,58.05) v1(74.8,64.2) v1(74.8,59) v1(75,65) v1(75,59.8) v1(75.1,72.7) v1(75.25,70.4) v1(75.2,69.45) v1(75.15,66.55) v1(75.35,57.4) v1(75.4,65.8) v1(75.4,62.6) v1(75.4,61) v1(75.4,58.6) v1(75.7,75) v1(75.8,64.4) v1(75.8,63.4) v1(75.8,61.8) v1(75.8,60.2) v1(75.8,59.2) v1(76,65.2) v1(76,56.75) v1(76.05,57.75) v1(76.2,73.7) v1(76.15,70.35) v1(76.2,66.4) v1(76.2,61) v1(76.2,58.4) v1(76.35,69.45) v1(76.44,117) v1(76.44,99) v1(76.44,23) v1(76.44,21) v1(76.44,19) v1(76.44,7) v1(76.44,5) v1(76.44,3) v1(76.44,1) v1(76.6,65.6) v1(76.6,64.4) v1(76.6,62.8) v1(76.6,61.8) v1(76.6,60.2) v1(76.6,59) v1(76.6,57.3) v1(76.55,56.4) v1(76.55,55.5) v1(76.55,54.5) v1(76.55,53.5) v1(76.55,52.4) v1(76.55,51.4) v1(76.55,50.5) v1(76.55,49.6) v1(77,74.7) v1(77.1,70.35) v1(77.12,36) v1(77.12,34.5) v1(77.3,73.8) v1(77.4,69.45) v1(77.8,71.2) v1(77.85,67.15) v1(77.85,63.25) v1(77.85,62.3) v1(77.85,61.3) v1(77.85,60.3) v1(77.85,59.2) v1(77.85,58.2) v1(77.85,57.3) v1(77.85,56.4) v1(77.85,55.5) v1(77.85,54.5) v1(77.85,53.5) v1(77.85,52.4) v1(77.85,51.4) v1(77.85,50.5) v1(77.85,49.6) v1(77.9,66.25) v1(77.9,65.25) v1(77.9,64.3) v1(78,33.62) v1(78.05,70.35) v1(78.2,72.7) v1(78.2,71.9) v1(78.35,68.4) v1(78.44,117) v1(78.44,113) v1(78.44,111) v1(78.44,109) v1(78.44,107) v1(78.44,105) v1(78.44,103) v1(78.44,101) v1(78.44,99) v1(78.44,97) v1(78.44,95) v1(78.44,93) v1(78.44,89) v1(78.44,83) v1(78.44,81) v1(78.44,79) v1(78.4,69.35) v1(78.44,23) v1(78.44,21) v1(78.44,19) v1(78.44,17) v1(78.44,15) v1(78.44,13) v1(78.44,7) v1(78.44,5) v1(78.44,3) v1(78.44,1) v1(78.6,65.65) v1(78.6,63.65) v1(78.6,62.6) v1(78.6,61.55) v1(78.7,67.55) v1(78.65,66.65) v1(78.65,64.7) v1(78.7,60.45) v1(78.65,59.5) v1(79,72.85) v1(79,71.45) v1(79.2,70.35) v1(79.15,62.1) v1(79.3,69.3) v1(79.35,60.1) v1(79.45,65.8) v1(79.4,63.6) v1(79.4,61.2) v1(79.5,68.4) v1(79.6,66.8) v1(79.55,62.75) v1(79.75,72.1) v1(79.85,64.25) v1(79.9,62) v1(79.95,60.65) v1(79.95,57.6) v1(79.9,56.6) v1(79.9,55.5) v1(79.9,54.5) v1(79.9,53.5) v1(79.9,52.4) v1(79.9,51.4) v1(79.9,50.5) v1(79.9,49.6) v1(80,75.1) v1(80.1,63.4) v1(80.25,70.35) v1(80.25,69.3) v1(80.2,67.55) v1(80.25,65.8) v1(80.44,117) v1(80.44,113) v1(80.44,111) v1(80.44,109) v1(80.44,107) v1(80.44,101) v1(80.44,99) v1(80.44,95) v1(80.44,93) v1(80.44,83) v1(80.44,81) v1(80.44,77) v1(80.4,71.2) v1(80.44,23) v1(80.44,21) v1(80.44,15) v1(80.44,13) v1(80.44,11) v1(80.44,7) v1(80.44,5) v1(80.44,3) v1(80.44,1) v1(80.5,58.15) v1(80.55,68.4) v1(80.55,66.55) v1(80.6,61.35) v1(80.6,57) v1(80.7,62.05) v1(80.85,63.3) v1(81.1,73.8) v1(81.15,65.75) v1(81.15,58.65) v1(81.3,57.85) v1(81.55,59.3) v1(81.85,62.05) v1(82,75.1) v1(82.1,73.3) v1(82.1,58.7) v1(82.15,59.85) v1(82.44,117) v1(82.44,113) v1(82.44,111) v1(82.44,109) v1(82.44,107) v1(82.44,101) v1(82.44,99) v1(82.44,93) v1(82.44,85) v1(82.44,83) v1(82.44,81) v1(82.44,23) v1(82.44,21) v1(82.44,15) v1(82.44,13) v1(82.44,11) v1(82.44,9) v1(82.44,7) v1(82.44,5) v1(82.44,3) v1(82.44,1) v1(82.5,34.75) v1(82.75,59.3) v1(83.1,73.8) v1(83.1,72.8) v1(83.35,59.85) v1(83.45,62.3) v1(83.88,36.38) v1(84,75.1) v1(84.1,73.3) v1(84.44,117) v1(84.44,95) v1(84.44,93) v1(84.44,89) v1(84.44,87) v1(84.44,85) v1(84.44,83) v1(84.44,79) v1(84.44,77) v1(84.44,27) v1(84.44,23) v1(84.44,11) v1(84.44,5) v1(84.44,3) v1(84.44,1) v1(84.9,66.5) v1(84.9,56.65) v1(85.1,73.8) v1(85.1,72.8) v1(85.1,52.75) v1(85.5,65.95) v1(85.5,57.25) v1(85.65,62.5) v1(85.65,61.5) v1(85.65,60.5) v1(85.8,66.6) v1(85.8,56.55) v1(85.85,52.75) v1(85.9,75.1) v1(85.88,65.08) v1(85.88,63) v1(85.88,62) v1(85.88,61) v1(85.88,60) v1(85.88,58.03) v1(86.1,73.3) v1(86.25,65.95) v1(86.25,64.15) v1(86.25,58.9) v1(86.25,57.25) v1(86.44,117) v1(86.44,97) v1(86.44,95) v1(86.44,93) v1(86.44,89) v1(86.44,87) v1(86.44,85) v1(86.44,83) v1(86.44,79) v1(86.44,77) v1(86.44,27) v1(86.44,5) v1(86.44,3) v1(86.44,1) v1(86.62,66.7) v1(86.62,65.08) v1(86.62,63.15) v1(86.62,62.03) v1(86.62,60.95) v1(86.62,59.9) v1(86.62,58.03) v1(86.62,56.38) v1(86.6,55.65) v1(86.6,54.9) v1(86.62,54.22) v1(86.6,53.5) v1(86.6,52.75) v1(86.62,52.12) v1(86.6,51.4) v1(86.6,50.65) v1(86.6,50) v1(86.6,49.35) v1(87,67.45) v1(87,65.95) v1(87,64.15) v1(87,58.9) v1(87,57.25) v1(87.1,73.8) v1(87.1,72.8) v1(87.35,55.65) v1(87.35,54.9) v1(87.35,53.5) v1(87.35,52.75) v1(87.35,51.4) v1(87.35,50.65) v1(87.35,50) v1(87.35,49.35) v1(87.38,66.7) v1(87.38,65.08) v1(87.38,63.15) v1(87.38,62.03) v1(87.38,60.95) v1(87.38,59.9) v1(87.38,58.03) v1(87.38,56.38) v1(87.38,54.22) v1(87.38,52.12) v1(87.75,65.95) v1(87.75,64.15) v1(87.75,58.9) v1(87.75,57.25) v1(88,75.1) v1(88.1,73.3) v1(88.1,66.6) v1(88.12,65.08) v1(88.12,63) v1(88.12,62.03) v1(88.12,61.03) v1(88.12,60.05) v1(88.12,58.03) v1(88.1,56.55) v1(88.15,52.75) v1(88.35,62.5) v1(88.35,61.55) v1(88.35,60.55) v1(88.44,117) v1(88.44,93) v1(88.44,85) v1(88.44,83) v1(88.44,35) v1(88.44,29) v1(88.44,5) v1(88.44,3) v1(88.44,1) v1(88.5,65.95) v1(88.5,57.25) v1(88.9,52.75) v1(89,66.5) v1(89,56.65) v1(89.1,73.8) v1(89.1,72.8) v1(90.1,75.1) v1(90.1,73.3) v1(90.35,63.1) v1(90.3,62.3) v1(90.44,117) v1(90.44,103) v1(90.44,93) v1(90.44,85) v1(90.44,83) v1(90.44,77) v1(90.45,60.35) v1(90.44,33) v1(90.44,5) v1(90.44,3) v1(90.44,1) v1(90.65,61.2) v1(90.85,63.65) v1(90.85,59.7) v1(91.1,73.8) v1(91.1,72.8) v1(91.05,62.6) v1(91.2,60.8) v1(91.3,59.1) v1(91.4,64.25) v1(91.5,60.15) v1(91.67,65.03) v1(92.02,75.11) v1(92.2,65.9) v1(92.3,64.5) v1(92.35,60.9) v1(92.3,60.15) v1(92.35,58.35) v1(92.44,117) v1(92.44,95) v1(92.44,93) v1(92.44,87) v1(92.44,85) v1(92.44,33) v1(92.44,31) v1(92.44,5) v1(92.44,3) v1(92.44,1) v1(92.67,65.23) v1(92.8,66.45) v1(92.8,63.85) v1(92.8,62.9) v1(92.8,61.65) v1(92.95,58.9) v1(93.65,59.6) v1(93.95,65.2) v1(93.95,64.15) v1(93.95,63.05) v1(93.95,61.9) v1(93.95,60.65) v1(94.44,117) v1(94.44,115) v1(94.44,101) v1(94.44,33) v1(94.44,31) v1(94.44,5) v1(94.44,3) v1(94.44,1) v1(96.44,117) v1(96.44,115) v1(96.44,113) v1(96.44,111) v1(96.44,109) v1(96.44,101) v1(96.44,99) v1(96.44,47) v1(96.44,33) v1(96.44,31) v1(96.44,11) v1(96.44,9) v1(96.44,7) v1(96.44,5) v1(96.44,3) v1(96.44,1) v1(98.5,118.5) v1(98.5,115.5) v1(98.5,112.5) v1(98.5,109.5) v1(98.5,99.5) v1(98.5,96.5) v1(98.5,93.5) v1(98.5,90.5) v1(98.5,87.5) v1(98.5,84.5) v1(98.5,81.5) v1(98.5,78.5) v1(98.5,76) v1(98.5,73) v1(98.5,70) v1(98.5,67) v1(98.5,64) v1(98.5,61) v1(98.5,58) v1(98.5,55) v1(98.5,52) v1(98.5,49) v1(98.5,46) v1(98.5,43) v1(98.5,40) v1(98.5,37) v1(98.5,34) v1(98.5,31) v1(98.5,28) v1(98.5,25) v1(98.5,22) v1(98.5,19) v1(98.5,11) v1(98.5,8) v1(98.5,5) v1(98.5,2)
